# KiCad board pi_attenuator_panel.kicad_pcb (continued)
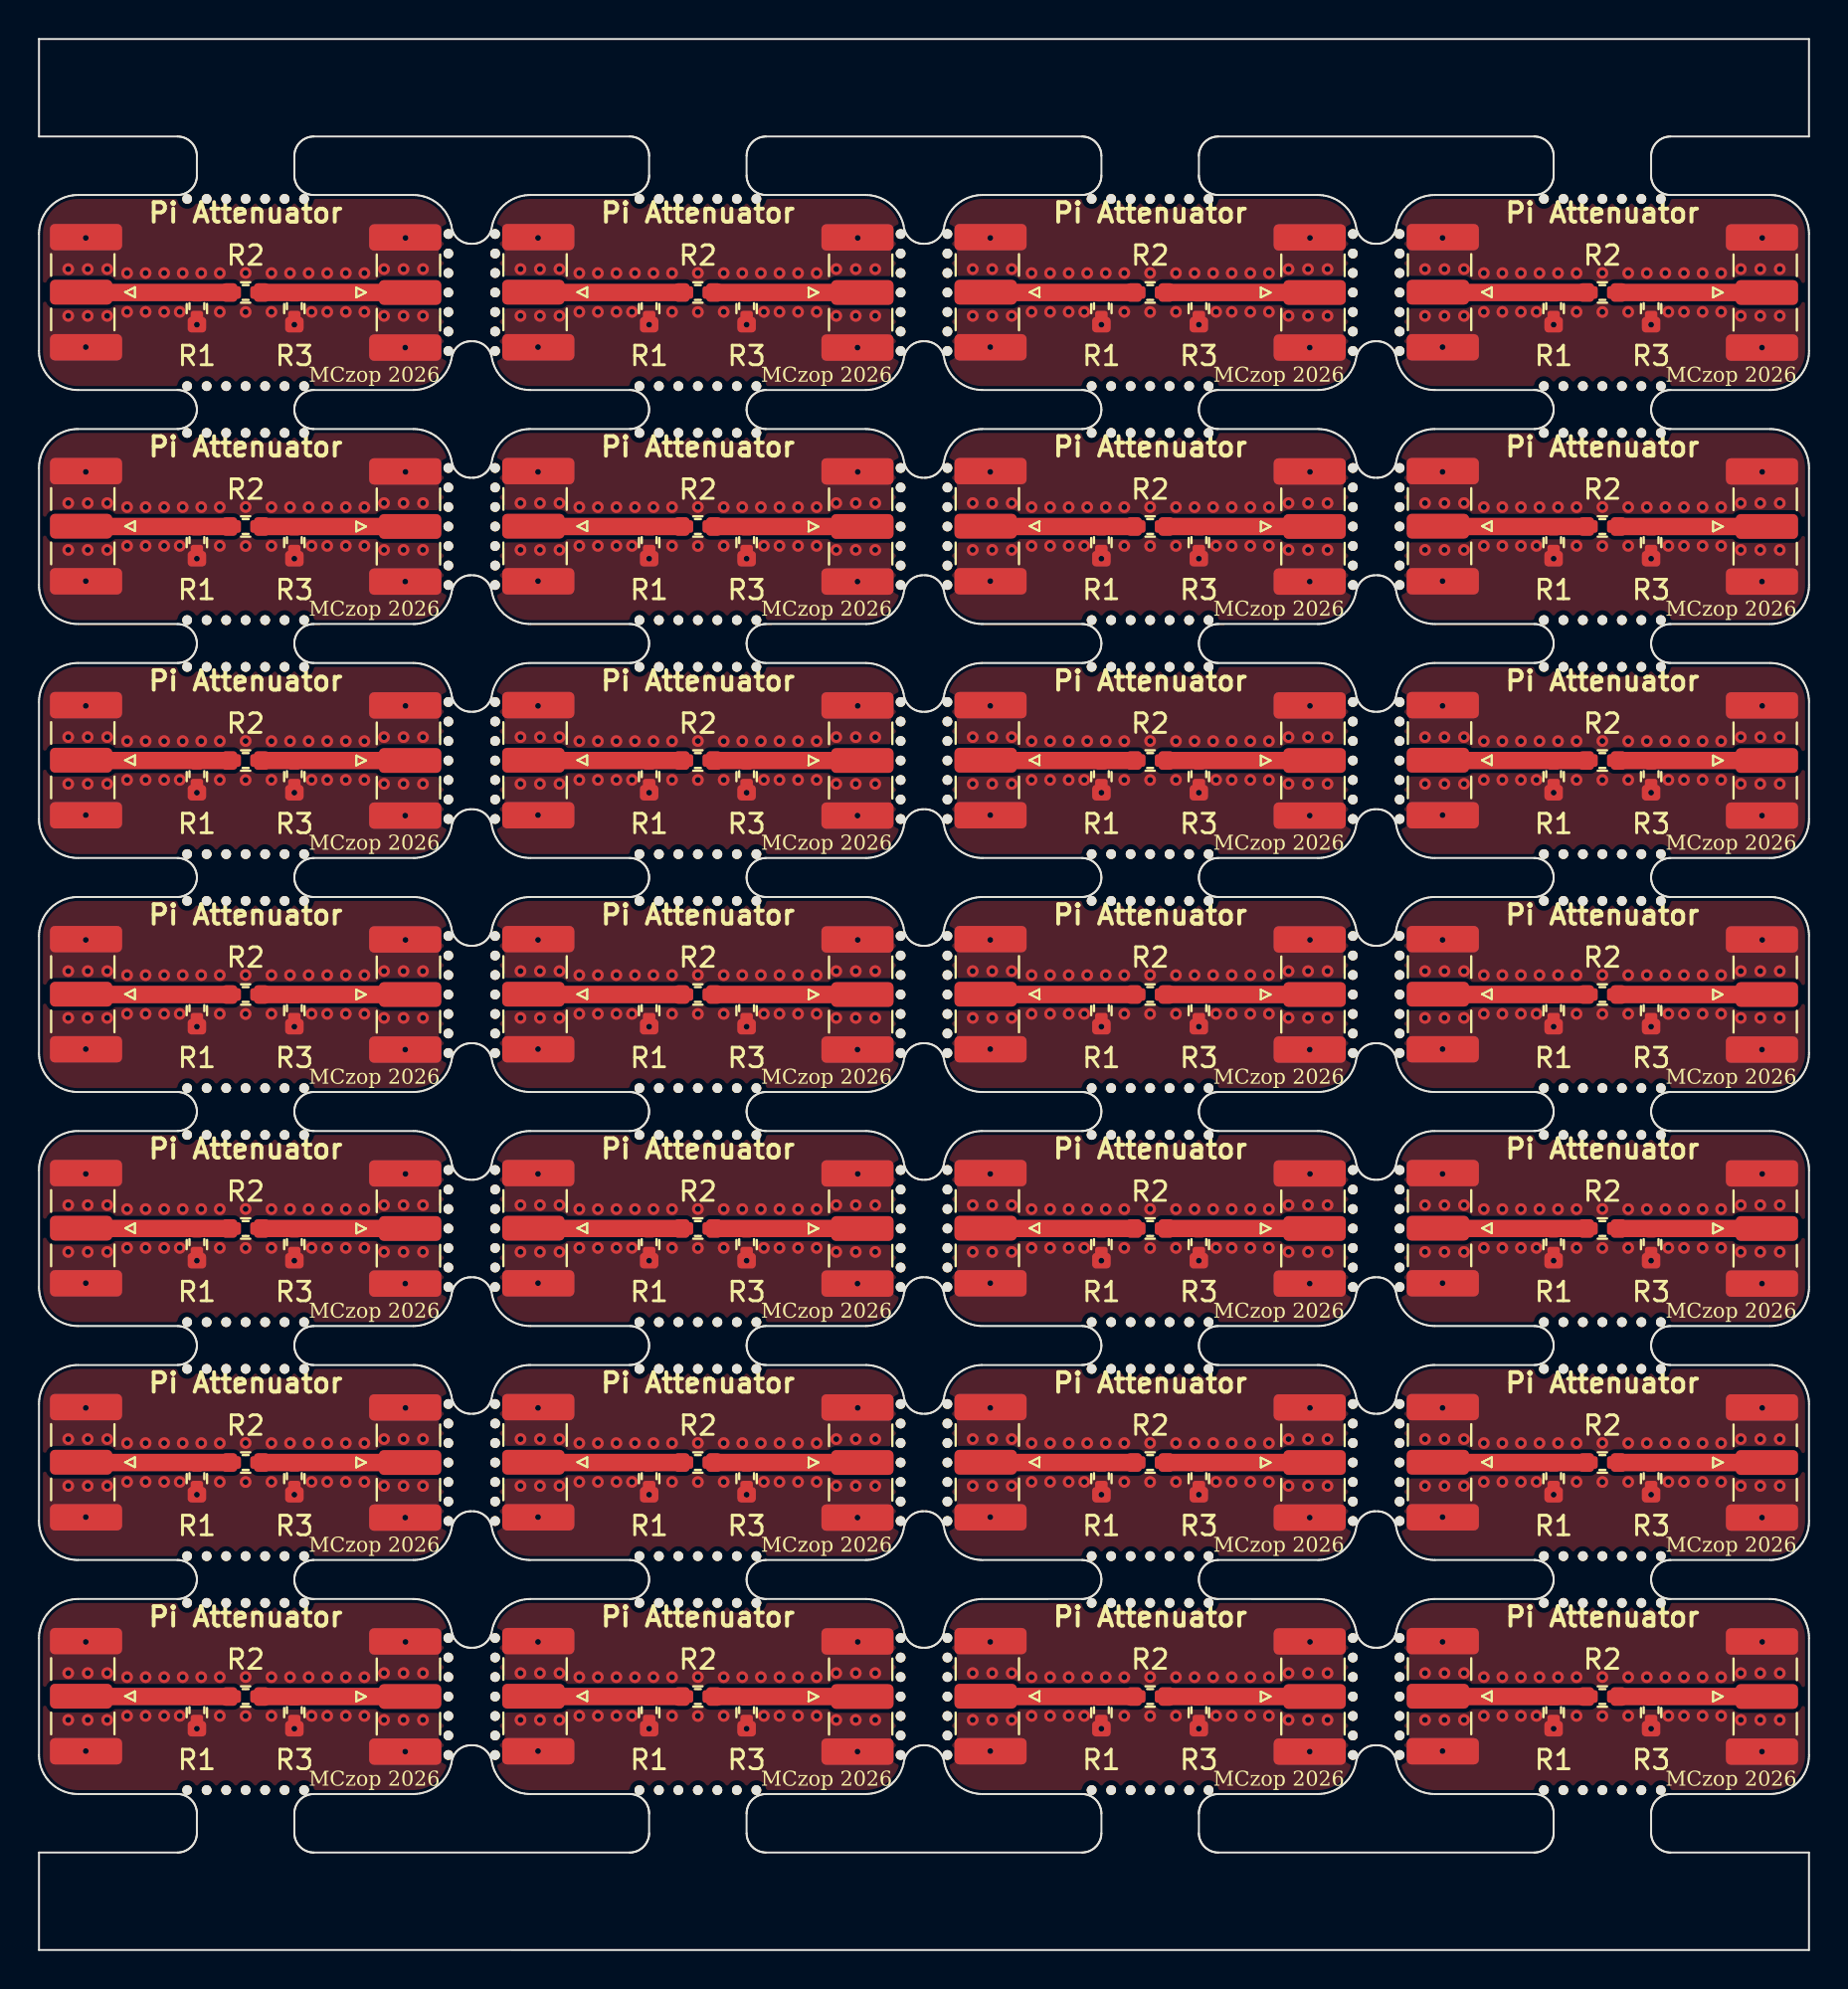
[diagram p0: board, top side]
## Placement (name value [footprint] x y rotation side) (continued)
KiKit_MB_52_3  -  [NPTH]  56 53.8 0 top
KiKit_MB_52_4  -  [NPTH]  57 53.8 0 top
KiKit_MB_52_5  -  [NPTH]  58 53.8 0 top
KiKit_MB_52_6  -  [NPTH]  59 53.8 0 top
KiKit_MB_52_7  -  [NPTH]  60 53.8 0 top
KiKit_MB_53_1  -  [NPTH]  60 44.2 0 top
KiKit_MB_53_2  -  [NPTH]  59 44.2 0 top
KiKit_MB_53_3  -  [NPTH]  58 44.2 0 top
KiKit_MB_53_4  -  [NPTH]  57 44.2 0 top
KiKit_MB_53_5  -  [NPTH]  56 44.2 0 top
KiKit_MB_53_6  -  [NPTH]  55 44.2 0 top
KiKit_MB_53_7  -  [NPTH]  54 44.2 0 top
KiKit_MB_54_1  -  [NPTH]  69.8 46 0 top
KiKit_MB_54_2  -  [NPTH]  69.8 47 0 top
KiKit_MB_54_3  -  [NPTH]  69.8 48 0 top
KiKit_MB_54_4  -  [NPTH]  69.8 49 0 top
KiKit_MB_54_5  -  [NPTH]  69.8 50 0 top
KiKit_MB_54_6  -  [NPTH]  69.8 51 0 top
KiKit_MB_54_7  -  [NPTH]  69.8 52 0 top
KiKit_MB_55_1  -  [NPTH]  77.2 53.8 0 top
KiKit_MB_55_2  -  [NPTH]  78.2 53.8 0 top
KiKit_MB_55_3  -  [NPTH]  79.2 53.8 0 top
KiKit_MB_55_4  -  [NPTH]  80.2 53.8 0 top
KiKit_MB_55_5  -  [NPTH]  81.2 53.8 0 top
KiKit_MB_55_6  -  [NPTH]  82.2 53.8 0 top
KiKit_MB_55_7  -  [NPTH]  83.2 53.8 0 top
KiKit_MB_56_1  -  [NPTH]  83.2 44.2 0 top
KiKit_MB_56_2  -  [NPTH]  82.2 44.2 0 top
KiKit_MB_56_3  -  [NPTH]  81.2 44.2 0 top
KiKit_MB_56_4  -  [NPTH]  80.2 44.2 0 top
KiKit_MB_56_5  -  [NPTH]  79.2 44.2 0 top
KiKit_MB_56_6  -  [NPTH]  78.2 44.2 0 top
KiKit_MB_56_7  -  [NPTH]  77.2 44.2 0 top
KiKit_MB_57_1  -  [NPTH]  21 40 0 top
KiKit_MB_57_2  -  [NPTH]  21 39 0 top
KiKit_MB_57_3  -  [NPTH]  21 38 0 top
KiKit_MB_57_4  -  [NPTH]  21 37 0 top
KiKit_MB_57_5  -  [NPTH]  21 36 0 top
KiKit_MB_57_6  -  [NPTH]  21 35 0 top
KiKit_MB_57_7  -  [NPTH]  21 34 0 top
KiKit_MB_58_1  -  [NPTH]  7.6 41.8 0 top
KiKit_MB_58_2  -  [NPTH]  8.6 41.8 0 top
KiKit_MB_58_3  -  [NPTH]  9.6 41.8 0 top
KiKit_MB_58_4  -  [NPTH]  10.6 41.8 0 top
KiKit_MB_58_5  -  [NPTH]  11.6 41.8 0 top
KiKit_MB_58_6  -  [NPTH]  12.6 41.8 0 top
KiKit_MB_58_7  -  [NPTH]  13.6 41.8 0 top
KiKit_MB_59_1  -  [NPTH]  13.6 32.2 0 top
KiKit_MB_59_2  -  [NPTH]  12.6 32.2 0 top
KiKit_MB_59_3  -  [NPTH]  11.6 32.2 0 top
KiKit_MB_59_4  -  [NPTH]  10.6 32.2 0 top
KiKit_MB_59_5  -  [NPTH]  9.6 32.2 0 top
KiKit_MB_59_6  -  [NPTH]  8.6 32.2 0 top
KiKit_MB_59_7  -  [NPTH]  7.6 32.2 0 top
KiKit_MB_60_1  -  [NPTH]  23.4 34 0 top
KiKit_MB_60_2  -  [NPTH]  23.4 35 0 top
KiKit_MB_60_3  -  [NPTH]  23.4 36 0 top
KiKit_MB_60_4  -  [NPTH]  23.4 37 0 top
KiKit_MB_60_5  -  [NPTH]  23.4 38 0 top
KiKit_MB_60_6  -  [NPTH]  23.4 39 0 top
KiKit_MB_60_7  -  [NPTH]  23.4 40 0 top
KiKit_MB_61_1  -  [NPTH]  44.2 40 0 top
KiKit_MB_61_2  -  [NPTH]  44.2 39 0 top
KiKit_MB_61_3  -  [NPTH]  44.2 38 0 top
KiKit_MB_61_4  -  [NPTH]  44.2 37 0 top
KiKit_MB_61_5  -  [NPTH]  44.2 36 0 top
KiKit_MB_61_6  -  [NPTH]  44.2 35 0 top
KiKit_MB_61_7  -  [NPTH]  44.2 34 0 top
KiKit_MB_62_1  -  [NPTH]  30.8 41.8 0 top
KiKit_MB_62_2  -  [NPTH]  31.8 41.8 0 top
KiKit_MB_62_3  -  [NPTH]  32.8 41.8 0 top
KiKit_MB_62_4  -  [NPTH]  33.8 41.8 0 top
KiKit_MB_62_5  -  [NPTH]  34.8 41.8 0 top
KiKit_MB_62_6  -  [NPTH]  35.8 41.8 0 top
KiKit_MB_62_7  -  [NPTH]  36.8 41.8 0 top
KiKit_MB_63_1  -  [NPTH]  36.8 32.2 0 top
KiKit_MB_63_2  -  [NPTH]  35.8 32.2 0 top
KiKit_MB_63_3  -  [NPTH]  34.8 32.2 0 top
KiKit_MB_63_4  -  [NPTH]  33.8 32.2 0 top
KiKit_MB_63_5  -  [NPTH]  32.8 32.2 0 top
KiKit_MB_63_6  -  [NPTH]  31.8 32.2 0 top
KiKit_MB_63_7  -  [NPTH]  30.8 32.2 0 top
KiKit_MB_64_1  -  [NPTH]  46.6 34 0 top
KiKit_MB_64_2  -  [NPTH]  46.6 35 0 top
KiKit_MB_64_3  -  [NPTH]  46.6 36 0 top
KiKit_MB_64_4  -  [NPTH]  46.6 37 0 top
KiKit_MB_64_5  -  [NPTH]  46.6 38 0 top
KiKit_MB_64_6  -  [NPTH]  46.6 39 0 top
KiKit_MB_64_7  -  [NPTH]  46.6 40 0 top
KiKit_MB_65_1  -  [NPTH]  67.4 40 0 top
KiKit_MB_65_2  -  [NPTH]  67.4 39 0 top
KiKit_MB_65_3  -  [NPTH]  67.4 38 0 top
KiKit_MB_65_4  -  [NPTH]  67.4 37 0 top
KiKit_MB_65_5  -  [NPTH]  67.4 36 0 top
KiKit_MB_65_6  -  [NPTH]  67.4 35 0 top
KiKit_MB_65_7  -  [NPTH]  67.4 34 0 top
KiKit_MB_66_1  -  [NPTH]  54 41.8 0 top
KiKit_MB_66_2  -  [NPTH]  55 41.8 0 top
KiKit_MB_66_3  -  [NPTH]  56 41.8 0 top
KiKit_MB_66_4  -  [NPTH]  57 41.8 0 top
KiKit_MB_66_5  -  [NPTH]  58 41.8 0 top
KiKit_MB_66_6  -  [NPTH]  59 41.8 0 top
KiKit_MB_66_7  -  [NPTH]  60 41.8 0 top
KiKit_MB_67_1  -  [NPTH]  60 32.2 0 top
KiKit_MB_67_2  -  [NPTH]  59 32.2 0 top
KiKit_MB_67_3  -  [NPTH]  58 32.2 0 top
KiKit_MB_67_4  -  [NPTH]  57 32.2 0 top
KiKit_MB_67_5  -  [NPTH]  56 32.2 0 top
KiKit_MB_67_6  -  [NPTH]  55 32.2 0 top
KiKit_MB_67_7  -  [NPTH]  54 32.2 0 top
KiKit_MB_68_1  -  [NPTH]  69.8 34 0 top
KiKit_MB_68_2  -  [NPTH]  69.8 35 0 top
KiKit_MB_68_3  -  [NPTH]  69.8 36 0 top
KiKit_MB_68_4  -  [NPTH]  69.8 37 0 top
KiKit_MB_68_5  -  [NPTH]  69.8 38 0 top
KiKit_MB_68_6  -  [NPTH]  69.8 39 0 top
KiKit_MB_68_7  -  [NPTH]  69.8 40 0 top
KiKit_MB_69_1  -  [NPTH]  77.2 41.8 0 top
KiKit_MB_69_2  -  [NPTH]  78.2 41.8 0 top
KiKit_MB_69_3  -  [NPTH]  79.2 41.8 0 top
KiKit_MB_69_4  -  [NPTH]  80.2 41.8 0 top
KiKit_MB_69_5  -  [NPTH]  81.2 41.8 0 top
KiKit_MB_69_6  -  [NPTH]  82.2 41.8 0 top
KiKit_MB_69_7  -  [NPTH]  83.2 41.8 0 top
KiKit_MB_70_1  -  [NPTH]  83.2 32.2 0 top
KiKit_MB_70_2  -  [NPTH]  82.2 32.2 0 top
KiKit_MB_70_3  -  [NPTH]  81.2 32.2 0 top
KiKit_MB_70_4  -  [NPTH]  80.2 32.2 0 top
KiKit_MB_70_5  -  [NPTH]  79.2 32.2 0 top
KiKit_MB_70_6  -  [NPTH]  78.2 32.2 0 top
KiKit_MB_70_7  -  [NPTH]  77.2 32.2 0 top
KiKit_MB_71_1  -  [NPTH]  21 28 0 top
KiKit_MB_71_2  -  [NPTH]  21 27 0 top
KiKit_MB_71_3  -  [NPTH]  21 26 0 top
KiKit_MB_71_4  -  [NPTH]  21 25 0 top
KiKit_MB_71_5  -  [NPTH]  21 24 0 top
KiKit_MB_71_6  -  [NPTH]  21 23 0 top
KiKit_MB_71_7  -  [NPTH]  21 22 0 top
KiKit_MB_72_1  -  [NPTH]  7.6 29.8 0 top
KiKit_MB_72_2  -  [NPTH]  8.6 29.8 0 top
KiKit_MB_72_3  -  [NPTH]  9.6 29.8 0 top
KiKit_MB_72_4  -  [NPTH]  10.6 29.8 0 top
KiKit_MB_72_5  -  [NPTH]  11.6 29.8 0 top
KiKit_MB_72_6  -  [NPTH]  12.6 29.8 0 top
KiKit_MB_72_7  -  [NPTH]  13.6 29.8 0 top
KiKit_MB_73_1  -  [NPTH]  13.6 20.2 0 top
KiKit_MB_73_2  -  [NPTH]  12.6 20.2 0 top
KiKit_MB_73_3  -  [NPTH]  11.6 20.2 0 top
KiKit_MB_73_4  -  [NPTH]  10.6 20.2 0 top
KiKit_MB_73_5  -  [NPTH]  9.6 20.2 0 top
KiKit_MB_73_6  -  [NPTH]  8.6 20.2 0 top
KiKit_MB_73_7  -  [NPTH]  7.6 20.2 0 top
KiKit_MB_74_1  -  [NPTH]  23.4 22 0 top
KiKit_MB_74_2  -  [NPTH]  23.4 23 0 top
KiKit_MB_74_3  -  [NPTH]  23.4 24 0 top
KiKit_MB_74_4  -  [NPTH]  23.4 25 0 top
KiKit_MB_74_5  -  [NPTH]  23.4 26 0 top
KiKit_MB_74_6  -  [NPTH]  23.4 27 0 top
KiKit_MB_74_7  -  [NPTH]  23.4 28 0 top
KiKit_MB_75_1  -  [NPTH]  44.2 28 0 top
KiKit_MB_75_2  -  [NPTH]  44.2 27 0 top
KiKit_MB_75_3  -  [NPTH]  44.2 26 0 top
KiKit_MB_75_4  -  [NPTH]  44.2 25 0 top
KiKit_MB_75_5  -  [NPTH]  44.2 24 0 top
KiKit_MB_75_6  -  [NPTH]  44.2 23 0 top
KiKit_MB_75_7  -  [NPTH]  44.2 22 0 top
KiKit_MB_76_1  -  [NPTH]  30.8 29.8 0 top
KiKit_MB_76_2  -  [NPTH]  31.8 29.8 0 top
KiKit_MB_76_3  -  [NPTH]  32.8 29.8 0 top
KiKit_MB_76_4  -  [NPTH]  33.8 29.8 0 top
KiKit_MB_76_5  -  [NPTH]  34.8 29.8 0 top
KiKit_MB_76_6  -  [NPTH]  35.8 29.8 0 top
KiKit_MB_76_7  -  [NPTH]  36.8 29.8 0 top
KiKit_MB_77_1  -  [NPTH]  36.8 20.2 0 top
KiKit_MB_77_2  -  [NPTH]  35.8 20.2 0 top
KiKit_MB_77_3  -  [NPTH]  34.8 20.2 0 top
KiKit_MB_77_4  -  [NPTH]  33.8 20.2 0 top
KiKit_MB_77_5  -  [NPTH]  32.8 20.2 0 top
KiKit_MB_77_6  -  [NPTH]  31.8 20.2 0 top
KiKit_MB_77_7  -  [NPTH]  30.8 20.2 0 top
KiKit_MB_78_1  -  [NPTH]  46.6 22 0 top
KiKit_MB_78_2  -  [NPTH]  46.6 23 0 top
KiKit_MB_78_3  -  [NPTH]  46.6 24 0 top
KiKit_MB_78_4  -  [NPTH]  46.6 25 0 top
KiKit_MB_78_5  -  [NPTH]  46.6 26 0 top
KiKit_MB_78_6  -  [NPTH]  46.6 27 0 top
KiKit_MB_78_7  -  [NPTH]  46.6 28 0 top
KiKit_MB_79_1  -  [NPTH]  67.4 28 0 top
KiKit_MB_79_2  -  [NPTH]  67.4 27 0 top
KiKit_MB_79_3  -  [NPTH]  67.4 26 0 top
KiKit_MB_79_4  -  [NPTH]  67.4 25 0 top
KiKit_MB_79_5  -  [NPTH]  67.4 24 0 top
KiKit_MB_79_6  -  [NPTH]  67.4 23 0 top
KiKit_MB_79_7  -  [NPTH]  67.4 22 0 top
KiKit_MB_80_1  -  [NPTH]  54 29.8 0 top
KiKit_MB_80_2  -  [NPTH]  55 29.8 0 top
KiKit_MB_80_3  -  [NPTH]  56 29.8 0 top
KiKit_MB_80_4  -  [NPTH]  57 29.8 0 top
KiKit_MB_80_5  -  [NPTH]  58 29.8 0 top
KiKit_MB_80_6  -  [NPTH]  59 29.8 0 top
KiKit_MB_80_7  -  [NPTH]  60 29.8 0 top
KiKit_MB_81_1  -  [NPTH]  60 20.2 0 top
KiKit_MB_81_2  -  [NPTH]  59 20.2 0 top
KiKit_MB_81_3  -  [NPTH]  58 20.2 0 top
KiKit_MB_81_4  -  [NPTH]  57 20.2 0 top
KiKit_MB_81_5  -  [NPTH]  56 20.2 0 top
KiKit_MB_81_6  -  [NPTH]  55 20.2 0 top
KiKit_MB_81_7  -  [NPTH]  54 20.2 0 top
KiKit_MB_82_1  -  [NPTH]  69.8 22 0 top
KiKit_MB_82_2  -  [NPTH]  69.8 23 0 top
KiKit_MB_82_3  -  [NPTH]  69.8 24 0 top
KiKit_MB_82_4  -  [NPTH]  69.8 25 0 top
KiKit_MB_82_5  -  [NPTH]  69.8 26 0 top
KiKit_MB_82_6  -  [NPTH]  69.8 27 0 top
KiKit_MB_82_7  -  [NPTH]  69.8 28 0 top
KiKit_MB_83_1  -  [NPTH]  77.2 29.8 0 top
KiKit_MB_83_2  -  [NPTH]  78.2 29.8 0 top
KiKit_MB_83_3  -  [NPTH]  79.2 29.8 0 top
KiKit_MB_83_4  -  [NPTH]  80.2 29.8 0 top
KiKit_MB_83_5  -  [NPTH]  81.2 29.8 0 top
KiKit_MB_83_6  -  [NPTH]  82.2 29.8 0 top
KiKit_MB_83_7  -  [NPTH]  83.2 29.8 0 top
KiKit_MB_84_1  -  [NPTH]  83.2 20.2 0 top
KiKit_MB_84_2  -  [NPTH]  82.2 20.2 0 top
KiKit_MB_84_3  -  [NPTH]  81.2 20.2 0 top
KiKit_MB_84_4  -  [NPTH]  80.2 20.2 0 top
KiKit_MB_84_5  -  [NPTH]  79.2 20.2 0 top
KiKit_MB_84_6  -  [NPTH]  78.2 20.2 0 top
KiKit_MB_84_7  -  [NPTH]  77.2 20.2 0 top
KiKit_MB_85_1  -  [NPTH]  21 16 0 top
KiKit_MB_85_2  -  [NPTH]  21 15 0 top
KiKit_MB_85_3  -  [NPTH]  21 14 0 top
KiKit_MB_85_4  -  [NPTH]  21 13 0 top
KiKit_MB_85_5  -  [NPTH]  21 12 0 top
KiKit_MB_85_6  -  [NPTH]  21 11 0 top
KiKit_MB_85_7  -  [NPTH]  21 10 0 top
KiKit_MB_86_1  -  [NPTH]  7.6 17.8 0 top
KiKit_MB_86_2  -  [NPTH]  8.6 17.8 0 top
KiKit_MB_86_3  -  [NPTH]  9.6 17.8 0 top
KiKit_MB_86_4  -  [NPTH]  10.6 17.8 0 top
KiKit_MB_86_5  -  [NPTH]  11.6 17.8 0 top
KiKit_MB_86_6  -  [NPTH]  12.6 17.8 0 top
KiKit_MB_86_7  -  [NPTH]  13.6 17.8 0 top
KiKit_MB_87_1  -  [NPTH]  13.6 8.2 0 top
KiKit_MB_87_2  -  [NPTH]  12.6 8.2 0 top
KiKit_MB_87_3  -  [NPTH]  11.6 8.2 0 top
KiKit_MB_87_4  -  [NPTH]  10.6 8.2 0 top
KiKit_MB_87_5  -  [NPTH]  9.6 8.2 0 top
KiKit_MB_87_6  -  [NPTH]  8.6 8.2 0 top
KiKit_MB_87_7  -  [NPTH]  7.6 8.2 0 top
KiKit_MB_88_1  -  [NPTH]  23.4 10 0 top
KiKit_MB_88_2  -  [NPTH]  23.4 11 0 top
KiKit_MB_88_3  -  [NPTH]  23.4 12 0 top
KiKit_MB_88_4  -  [NPTH]  23.4 13 0 top
KiKit_MB_88_5  -  [NPTH]  23.4 14 0 top
KiKit_MB_88_6  -  [NPTH]  23.4 15 0 top
KiKit_MB_88_7  -  [NPTH]  23.4 16 0 top
KiKit_MB_89_1  -  [NPTH]  44.2 16 0 top
KiKit_MB_89_2  -  [NPTH]  44.2 15 0 top
KiKit_MB_89_3  -  [NPTH]  44.2 14 0 top
KiKit_MB_89_4  -  [NPTH]  44.2 13 0 top
KiKit_MB_89_5  -  [NPTH]  44.2 12 0 top
KiKit_MB_89_6  -  [NPTH]  44.2 11 0 top
KiKit_MB_89_7  -  [NPTH]  44.2 10 0 top
KiKit_MB_90_1  -  [NPTH]  30.8 17.8 0 top
KiKit_MB_90_2  -  [NPTH]  31.8 17.8 0 top
KiKit_MB_90_3  -  [NPTH]  32.8 17.8 0 top
KiKit_MB_90_4  -  [NPTH]  33.8 17.8 0 top
KiKit_MB_90_5  -  [NPTH]  34.8 17.8 0 top
KiKit_MB_90_6  -  [NPTH]  35.8 17.8 0 top
KiKit_MB_90_7  -  [NPTH]  36.8 17.8 0 top
KiKit_MB_91_1  -  [NPTH]  36.8 8.2 0 top
KiKit_MB_91_2  -  [NPTH]  35.8 8.2 0 top
KiKit_MB_91_3  -  [NPTH]  34.8 8.2 0 top
KiKit_MB_91_4  -  [NPTH]  33.8 8.2 0 top
KiKit_MB_91_5  -  [NPTH]  32.8 8.2 0 top
KiKit_MB_91_6  -  [NPTH]  31.8 8.2 0 top
KiKit_MB_91_7  -  [NPTH]  30.8 8.2 0 top
KiKit_MB_92_1  -  [NPTH]  46.6 10 0 top
KiKit_MB_92_2  -  [NPTH]  46.6 11 0 top
KiKit_MB_92_3  -  [NPTH]  46.6 12 0 top
KiKit_MB_92_4  -  [NPTH]  46.6 13 0 top
KiKit_MB_92_5  -  [NPTH]  46.6 14 0 top
KiKit_MB_92_6  -  [NPTH]  46.6 15 0 top
KiKit_MB_92_7  -  [NPTH]  46.6 16 0 top
KiKit_MB_93_1  -  [NPTH]  67.4 16 0 top
KiKit_MB_93_2  -  [NPTH]  67.4 15 0 top
KiKit_MB_93_3  -  [NPTH]  67.4 14 0 top
KiKit_MB_93_4  -  [NPTH]  67.4 13 0 top
KiKit_MB_93_5  -  [NPTH]  67.4 12 0 top
KiKit_MB_93_6  -  [NPTH]  67.4 11 0 top
KiKit_MB_93_7  -  [NPTH]  67.4 10 0 top
KiKit_MB_94_1  -  [NPTH]  54 17.8 0 top
KiKit_MB_94_2  -  [NPTH]  55 17.8 0 top
KiKit_MB_94_3  -  [NPTH]  56 17.8 0 top
KiKit_MB_94_4  -  [NPTH]  57 17.8 0 top
KiKit_MB_94_5  -  [NPTH]  58 17.8 0 top
KiKit_MB_94_6  -  [NPTH]  59 17.8 0 top
KiKit_MB_94_7  -  [NPTH]  60 17.8 0 top
KiKit_MB_95_1  -  [NPTH]  60 8.2 0 top
KiKit_MB_95_2  -  [NPTH]  59 8.2 0 top
KiKit_MB_95_3  -  [NPTH]  58 8.2 0 top
KiKit_MB_95_4  -  [NPTH]  57 8.2 0 top
KiKit_MB_95_5  -  [NPTH]  56 8.2 0 top
KiKit_MB_95_6  -  [NPTH]  55 8.2 0 top
KiKit_MB_95_7  -  [NPTH]  54 8.2 0 top
KiKit_MB_96_1  -  [NPTH]  69.8 10 0 top
KiKit_MB_96_2  -  [NPTH]  69.8 11 0 top
KiKit_MB_96_3  -  [NPTH]  69.8 12 0 top
KiKit_MB_96_4  -  [NPTH]  69.8 13 0 top
KiKit_MB_96_5  -  [NPTH]  69.8 14 0 top
KiKit_MB_96_6  -  [NPTH]  69.8 15 0 top
KiKit_MB_96_7  -  [NPTH]  69.8 16 0 top
KiKit_MB_97_1  -  [NPTH]  77.2 17.8 0 top
KiKit_MB_97_2  -  [NPTH]  78.2 17.8 0 top
KiKit_MB_97_3  -  [NPTH]  79.2 17.8 0 top
KiKit_MB_97_4  -  [NPTH]  80.2 17.8 0 top
KiKit_MB_97_5  -  [NPTH]  81.2 17.8 0 top
KiKit_MB_97_6  -  [NPTH]  82.2 17.8 0 top
KiKit_MB_97_7  -  [NPTH]  83.2 17.8 0 top
KiKit_MB_98_1  -  [NPTH]  83.2 8.2 0 top
KiKit_MB_98_2  -  [NPTH]  82.2 8.2 0 top
KiKit_MB_98_3  -  [NPTH]  81.2 8.2 0 top
KiKit_MB_98_4  -  [NPTH]  80.2 8.2 0 top
KiKit_MB_98_5  -  [NPTH]  79.2 8.2 0 top
KiKit_MB_98_6  -  [NPTH]  78.2 8.2 0 top
KiKit_MB_98_7  -  [NPTH]  77.2 8.2 0 top
R1  SHUNT  [R_0603_1608Metric]  77.7 84.17 90 top
R1#2  SHUNT  [R_0603_1608Metric]  8.1 72.17 90 top
R1#3  SHUNT  [R_0603_1608Metric]  31.3 36.17 90 top
R1#4  SHUNT  [R_0603_1608Metric]  77.7 12.17 90 top
R1#5  SHUNT  [R_0603_1608Metric]  8.1 36.17 90 top
R1#6  SHUNT  [R_0603_1608Metric]  31.3 12.17 90 top
R1#7  SHUNT  [R_0603_1608Metric]  8.1 84.17 90 top
R1#8  SHUNT  [R_0603_1608Metric]  54.5 24.17 90 top
R1#9  SHUNT  [R_0603_1608Metric]  77.7 48.17 90 top
R1#10  SHUNT  [R_0603_1608Metric]  77.7 36.17 90 top
R1#11  SHUNT  [R_0603_1608Metric]  8.1 60.17 90 top
R1#12  SHUNT  [R_0603_1608Metric]  31.3 84.17 90 top
R1#13  SHUNT  [R_0603_1608Metric]  54.5 36.17 90 top
R1#14  SHUNT  [R_0603_1608Metric]  8.1 12.17 90 top
R1#15  SHUNT  [R_0603_1608Metric]  31.3 60.17 90 top
R1#16  SHUNT  [R_0603_1608Metric]  54.5 60.17 90 top
R1#17  SHUNT  [R_0603_1608Metric]  77.7 60.17 90 top
R1#18  SHUNT  [R_0603_1608Metric]  54.5 48.17 90 top
R1#19  SHUNT  [R_0603_1608Metric]  77.7 72.17 90 top
R1#20  SHUNT  [R_0603_1608Metric]  54.5 72.17 90 top
R1#21  SHUNT  [R_0603_1608Metric]  31.3 72.17 90 top
R1#22  SHUNT  [R_0603_1608Metric]  31.3 48.17 90 top
R1#23  SHUNT  [R_0603_1608Metric]  8.1 48.17 90 top
R1#24  SHUNT  [R_0603_1608Metric]  54.5 84.17 90 top
R1#25  SHUNT  [R_0603_1608Metric]  8.1 24.17 90 top
R1#26  SHUNT  [R_0603_1608Metric]  31.3 24.17 90 top
R1#27  SHUNT  [R_0603_1608Metric]  54.5 12.17 90 top
R1#28  SHUNT  [R_0603_1608Metric]  77.7 24.17 90 top
R2  SERIES  [R_0603_1608Metric]  33.8 49 180 top
R2#2  SERIES  [R_0603_1608Metric]  57 25 180 top
R2#3  SERIES  [R_0603_1608Metric]  57 13 180 top
R2#4  SERIES  [R_0603_1608Metric]  80.2 61 180 top
R2#5  SERIES  [R_0603_1608Metric]  80.2 25 180 top
R2#6  SERIES  [R_0603_1608Metric]  80.2 13 180 top
R2#7  SERIES  [R_0603_1608Metric]  80.2 85 180 top
R2#8  SERIES  [R_0603_1608Metric]  10.6 61 180 top
R2#9  SERIES  [R_0603_1608Metric]  10.6 49 180 top
R2#10  SERIES  [R_0603_1608Metric]  10.6 37 180 top
R2#11  SERIES  [R_0603_1608Metric]  57 61 180 top
R2#12  SERIES  [R_0603_1608Metric]  33.8 73 180 top
R2#13  SERIES  [R_0603_1608Metric]  57 85 180 top
R2#14  SERIES  [R_0603_1608Metric]  10.6 85 180 top
R2#15  SERIES  [R_0603_1608Metric]  33.8 85 180 top
R2#16  SERIES  [R_0603_1608Metric]  80.2 49 180 top
R2#17  SERIES  [R_0603_1608Metric]  80.2 37 180 top
R2#18  SERIES  [R_0603_1608Metric]  33.8 25 180 top
R2#19  SERIES  [R_0603_1608Metric]  57 73 180 top
R2#20  SERIES  [R_0603_1608Metric]  33.8 37 180 top
R2#21  SERIES  [R_0603_1608Metric]  10.6 73 180 top
R2#22  SERIES  [R_0603_1608Metric]  33.8 13 180 top
R2#23  SERIES  [R_0603_1608Metric]  33.8 61 180 top
R2#24  SERIES  [R_0603_1608Metric]  80.2 73 180 top
R2#25  SERIES  [R_0603_1608Metric]  10.6 13 180 top
R2#26  SERIES  [R_0603_1608Metric]  57 37 180 top
R2#27  SERIES  [R_0603_1608Metric]  57 49 180 top
R2#28  SERIES  [R_0603_1608Metric]  10.6 25 180 top
R3  SHUNT  [R_0603_1608Metric]  59.5 36.17 90 top
R3#2  SHUNT  [R_0603_1608Metric]  13.1 48.17 90 top
R3#3  SHUNT  [R_0603_1608Metric]  59.5 84.17 90 top
R3#4  SHUNT  [R_0603_1608Metric]  82.7 24.17 90 top
R3#5  SHUNT  [R_0603_1608Metric]  59.5 24.17 90 top
R3#6  SHUNT  [R_0603_1608Metric]  59.5 72.17 90 top
R3#7  SHUNT  [R_0603_1608Metric]  82.7 12.17 90 top
R3#8  SHUNT  [R_0603_1608Metric]  13.1 12.17 90 top
R3#9  SHUNT  [R_0603_1608Metric]  36.3 12.17 90 top
R3#10  SHUNT  [R_0603_1608Metric]  59.5 12.17 90 top
R3#11  SHUNT  [R_0603_1608Metric]  13.1 84.17 90 top
R3#12  SHUNT  [R_0603_1608Metric]  82.7 84.17 90 top
R3#13  SHUNT  [R_0603_1608Metric]  59.5 48.17 90 top
R3#14  SHUNT  [R_0603_1608Metric]  82.7 72.17 90 top
R3#15  SHUNT  [R_0603_1608Metric]  82.7 36.17 90 top
R3#16  SHUNT  [R_0603_1608Metric]  13.1 72.17 90 top
R3#17  SHUNT  [R_0603_1608Metric]  82.7 60.17 90 top
R3#18  SHUNT  [R_0603_1608Metric]  36.3 48.17 90 top
R3#19  SHUNT  [R_0603_1608Metric]  36.3 60.17 90 top
R3#20  SHUNT  [R_0603_1608Metric]  13.1 36.17 90 top
R3#21  SHUNT  [R_0603_1608Metric]  13.1 60.17 90 top
R3#22  SHUNT  [R_0603_1608Metric]  82.7 48.17 90 top
R3#23  SHUNT  [R_0603_1608Metric]  13.1 24.17 90 top
R3#24  SHUNT  [R_0603_1608Metric]  36.3 84.17 90 top
R3#25  SHUNT  [R_0603_1608Metric]  59.5 60.17 90 top
R3#26  SHUNT  [R_0603_1608Metric]  36.3 24.17 90 top
R3#27  SHUNT  [R_0603_1608Metric]  36.3 36.17 90 top
R3#28  SHUNT  [R_0603_1608Metric]  36.3 72.17 90 top
R4  SERIES  [R_0402_1005Metric]  57 25 180 top  (not fitted)
R4#2  SERIES  [R_0402_1005Metric]  10.6 85 180 top  (not fitted)
R4#3  SERIES  [R_0402_1005Metric]  10.6 25 180 top  (not fitted)
R4#4  SERIES  [R_0402_1005Metric]  33.8 61 180 top  (not fitted)
R4#5  SERIES  [R_0402_1005Metric]  80.2 85 180 top  (not fitted)
R4#6  SERIES  [R_0402_1005Metric]  80.2 49 180 top  (not fitted)
R4#7  SERIES  [R_0402_1005Metric]  33.8 37 180 top  (not fitted)
R4#8  SERIES  [R_0402_1005Metric]  57 37 180 top  (not fitted)
R4#9  SERIES  [R_0402_1005Metric]  33.8 85 180 top  (not fitted)
R4#10  SERIES  [R_0402_1005Metric]  10.6 37 180 top  (not fitted)
R4#11  SERIES  [R_0402_1005Metric]  33.8 25 180 top  (not fitted)
R4#12  SERIES  [R_0402_1005Metric]  80.2 73 180 top  (not fitted)
R4#13  SERIES  [R_0402_1005Metric]  57 85 180 top  (not fitted)
R4#14  SERIES  [R_0402_1005Metric]  33.8 73 180 top  (not fitted)
R4#15  SERIES  [R_0402_1005Metric]  80.2 13 180 top  (not fitted)
R4#16  SERIES  [R_0402_1005Metric]  33.8 13 180 top  (not fitted)
R4#17  SERIES  [R_0402_1005Metric]  57 13 180 top  (not fitted)
R4#18  SERIES  [R_0402_1005Metric]  10.6 61 180 top  (not fitted)
R4#19  SERIES  [R_0402_1005Metric]  57 61 180 top  (not fitted)
R4#20  SERIES  [R_0402_1005Metric]  10.6 73 180 top  (not fitted)
R4#21  SERIES  [R_0402_1005Metric]  80.2 25 180 top  (not fitted)
R4#22  SERIES  [R_0402_1005Metric]  80.2 61 180 top  (not fitted)
R4#23  SERIES  [R_0402_1005Metric]  33.8 49 180 top  (not fitted)
R4#24  SERIES  [R_0402_1005Metric]  80.2 37 180 top  (not fitted)
R4#25  SERIES  [R_0402_1005Metric]  57 73 180 top  (not fitted)
R4#26  SERIES  [R_0402_1005Metric]  10.6 49 180 top  (not fitted)
R4#27  SERIES  [R_0402_1005Metric]  10.6 13 180 top  (not fitted)
R4#28  SERIES  [R_0402_1005Metric]  57 49 180 top  (not fitted)
R5  SERIES  [R_0402_1005Metric]  31.3 12.3 270 top  (not fitted)
R5#2  SERIES  [R_0402_1005Metric]  8.1 72.3 270 top  (not fitted)
R5#3  SERIES  [R_0402_1005Metric]  8.1 12.3 270 top  (not fitted)
R5#4  SERIES  [R_0402_1005Metric]  54.5 24.3 270 top  (not fitted)
R5#5  SERIES  [R_0402_1005Metric]  8.1 36.3 270 top  (not fitted)
R5#6  SERIES  [R_0402_1005Metric]  77.7 24.3 270 top  (not fitted)
R5#7  SERIES  [R_0402_1005Metric]  31.3 36.3 270 top  (not fitted)
R5#8  SERIES  [R_0402_1005Metric]  8.1 48.3 270 top  (not fitted)
R5#9  SERIES  [R_0402_1005Metric]  77.7 48.3 270 top  (not fitted)
R5#10  SERIES  [R_0402_1005Metric]  31.3 24.3 270 top  (not fitted)
R5#11  SERIES  [R_0402_1005Metric]  77.7 60.3 270 top  (not fitted)
R5#12  SERIES  [R_0402_1005Metric]  54.5 84.3 270 top  (not fitted)
R5#13  SERIES  [R_0402_1005Metric]  31.3 84.3 270 top  (not fitted)
R5#14  SERIES  [R_0402_1005Metric]  8.1 84.3 270 top  (not fitted)
R5#15  SERIES  [R_0402_1005Metric]  54.5 60.3 270 top  (not fitted)
R5#16  SERIES  [R_0402_1005Metric]  77.7 84.3 270 top  (not fitted)
R5#17  SERIES  [R_0402_1005Metric]  54.5 48.3 270 top  (not fitted)
R5#18  SERIES  [R_0402_1005Metric]  54.5 12.3 270 top  (not fitted)
R5#19  SERIES  [R_0402_1005Metric]  77.7 36.3 270 top  (not fitted)
R5#20  SERIES  [R_0402_1005Metric]  8.1 24.3 270 top  (not fitted)
R5#21  SERIES  [R_0402_1005Metric]  54.5 72.3 270 top  (not fitted)
R5#22  SERIES  [R_0402_1005Metric]  31.3 48.3 270 top  (not fitted)
R5#23  SERIES  [R_0402_1005Metric]  31.3 60.3 270 top  (not fitted)
R5#24  SERIES  [R_0402_1005Metric]  77.7 12.3 270 top  (not fitted)
R5#25  SERIES  [R_0402_1005Metric]  54.5 36.3 270 top  (not fitted)
R5#26  SERIES  [R_0402_1005Metric]  77.7 72.3 270 top  (not fitted)
R5#27  SERIES  [R_0402_1005Metric]  31.3 72.3 270 top  (not fitted)
R5#28  SERIES  [R_0402_1005Metric]  8.1 60.3 270 top  (not fitted)
R6  SERIES  [R_0402_1005Metric]  36.3 48.3 270 top  (not fitted)
R6#2  SERIES  [R_0402_1005Metric]  82.7 24.3 270 top  (not fitted)
R6#3  SERIES  [R_0402_1005Metric]  82.7 12.3 270 top  (not fitted)
R6#4  SERIES  [R_0402_1005Metric]  13.1 48.3 270 top  (not fitted)
R6#5  SERIES  [R_0402_1005Metric]  13.1 12.3 270 top  (not fitted)
R6#6  SERIES  [R_0402_1005Metric]  36.3 36.3 270 top  (not fitted)
R6#7  SERIES  [R_0402_1005Metric]  36.3 72.3 270 top  (not fitted)
R6#8  SERIES  [R_0402_1005Metric]  13.1 84.3 270 top  (not fitted)
R6#9  SERIES  [R_0402_1005Metric]  59.5 72.3 270 top  (not fitted)
R6#10  SERIES  [R_0402_1005Metric]  36.3 12.3 270 top  (not fitted)
R6#11  SERIES  [R_0402_1005Metric]  59.5 12.3 270 top  (not fitted)
R6#12  SERIES  [R_0402_1005Metric]  36.3 24.3 270 top  (not fitted)
R6#13  SERIES  [R_0402_1005Metric]  82.7 84.3 270 top  (not fitted)
R6#14  SERIES  [R_0402_1005Metric]  36.3 84.3 270 top  (not fitted)
R6#15  SERIES  [R_0402_1005Metric]  59.5 48.3 270 top  (not fitted)
R6#16  SERIES  [R_0402_1005Metric]  82.7 36.3 270 top  (not fitted)
R6#17  SERIES  [R_0402_1005Metric]  59.5 24.3 270 top  (not fitted)
R6#18  SERIES  [R_0402_1005Metric]  59.5 36.3 270 top  (not fitted)
R6#19  SERIES  [R_0402_1005Metric]  82.7 48.3 270 top  (not fitted)
R6#20  SERIES  [R_0402_1005Metric]  59.5 60.3 270 top  (not fitted)
R6#21  SERIES  [R_0402_1005Metric]  36.3 60.3 270 top  (not fitted)
R6#22  SERIES  [R_0402_1005Metric]  82.7 60.3 270 top  (not fitted)
R6#23  SERIES  [R_0402_1005Metric]  13.1 60.3 270 top  (not fitted)
R6#24  SERIES  [R_0402_1005Metric]  13.1 72.3 270 top  (not fitted)
R6#25  SERIES  [R_0402_1005Metric]  13.1 36.3 270 top  (not fitted)
R6#26  SERIES  [R_0402_1005Metric]  59.5 84.3 270 top  (not fitted)
R6#27  SERIES  [R_0402_1005Metric]  82.7 72.3 270 top  (not fitted)
R6#28  SERIES  [R_0402_1005Metric]  13.1 24.3 270 top  (not fitted)

## Library data of the parts
J1 J1#2-J1#28 J2 J2#2-J2#28 = -: Description: small coaxial connector (BNC, SMA, SMB, SMC, Cinch/RCA, LEMO, ...); ki_fp_filters: *BNC* *SMA* *SMB* *SMC* *Cinch* *LEMO* *UMRF* *MCX* *U.FL*
R1 R1#2-R1#28 R2 R2#2-R2#28 R3 R3#2-R3#28 R4 R4#2-R4#28 R5 R5#2-R5#28 R6 R6#2-R6#28 = -: Description: Resistor, small symbol; KiLib_Generator: SMD_2terminal_chip_molded; ki_fp_filters: R_*

## Footprints (pads in the part's own frame, mm; a bottom-side part is the same pattern mirrored in y, then rotated)
NPTH
  round 0.5 hole 0.5 unplated: (0,0)
R_0402_1005Metric
  rrect 0.54x0.64 smd: 1(-0.51,0) 2(0.51,0)
R_0603_1608Metric
  rrect 0.8x0.95 smd: 1(-0.825,0) 2(0.825,0)
SMA_Samtec_SMA-J-P-H-ST-EM1_EdgeMount
  rrect 3.2x1.27 smd: 1(0,0)
  rrect 3.7x1.35 smd: 2(-0.25,2.825) 2(-0.25,-2.825)
  rrect 3.7x1.35 smd far side: 2(-0.25,2.825) 2(-0.25,-2.825)

## Nets
Board_0-GND: J1#26.2 J2#3.2 R1#7.1 R3#11.1 R5#14.2 R6#8.2
Board_0-Net-(J1-In): J1#26.1 R1#7.2 R2#14.2 R4#2.2 R5#14.1
Board_0-Net-(J2-In): J2#3.1 R2#14.1 R3#11.2 R4#2.1 R6#8.1
Board_1-GND: J1#20.2 J2#12.2 R1#12.1 R3#24.1 R5#13.2 R6#14.2
Board_1-Net-(J1-In): J1#20.1 R1#12.2 R2#15.2 R4#9.2 R5#13.1
Board_1-Net-(J2-In): J2#12.1 R2#15.1 R3#24.2 R4#9.1 R6#14.1
Board_2-GND: J1#12.2 J2#18.2 R1#24.1 R3#3.1 R5#12.2 R6#26.2
Board_2-Net-(J1-In): J1#12.1 R1#24.2 R2#13.2 R4#13.2 R5#12.1
Board_2-Net-(J2-In): J2#18.1 R2#13.1 R3#3.2 R4#13.1 R6#26.1
Board_3-GND: J1#7.2 J2#6.2 R1.1 R3#12.1 R5#16.2 R6#13.2
Board_3-Net-(J1-In): J1#7.1 R1.2 R2#7.2 R4#5.2 R5#16.1
Board_3-Net-(J2-In): J2#6.1 R2#7.1 R3#12.2 R4#5.1 R6#13.1
Board_4-GND: J1.2 J2#20.2 R1#2.1 R3#16.1 R5#2.2 R6#24.2
Board_4-Net-(J1-In): J1.1 R1#2.2 R2#21.2 R4#20.2 R5#2.1
Board_4-Net-(J2-In): J2#20.1 R2#21.1 R3#16.2 R4#20.1 R6#24.1
Board_5-GND: J1#8.2 J2#10.2 R1#21.1 R3#28.1 R5#27.2 R6#7.2
Board_5-Net-(J1-In): J1#8.1 R1#21.2 R2#12.2 R4#14.2 R5#27.1
Board_5-Net-(J2-In): J2#10.1 R2#12.1 R3#28.2 R4#14.1 R6#7.1
Board_6-GND: J1#28.2 J2#13.2 R1#20.1 R3#6.1 R5#21.2 R6#9.2
Board_6-Net-(J1-In): J1#28.1 R1#20.2 R2#19.2 R4#25.2 R5#21.1
Board_6-Net-(J2-In): J2#13.1 R2#19.1 R3#6.2 R4#25.1 R6#9.1
Board_7-GND: J1#22.2 J2.2 R1#19.1 R3#14.1 R5#26.2 R6#27.2
Board_7-Net-(J1-In): J1#22.1 R1#19.2 R2#24.2 R4#12.2 R5#26.1
Board_7-Net-(J2-In): J2.1 R2#24.1 R3#14.2 R4#12.1 R6#27.1
Board_8-GND: J1#3.2 J2#25.2 R1#11.1 R3#21.1 R5#28.2 R6#23.2
Board_8-Net-(J1-In): J1#3.1 R1#11.2 R2#8.2 R4#18.2 R5#28.1
Board_8-Net-(J2-In): J2#25.1 R2#8.1 R3#21.2 R4#18.1 R6#23.1
Board_9-GND: J1#15.2 J2#8.2 R1#15.1 R3#19.1 R5#23.2 R6#21.2
Board_9-Net-(J1-In): J1#15.1 R1#15.2 R2#23.2 R4#4.2 R5#23.1
Board_9-Net-(J2-In): J2#8.1 R2#23.1 R3#19.2 R4#4.1 R6#21.1
Board_10-GND: J1#9.2 J2#7.2 R1#16.1 R3#25.1 R5#15.2 R6#20.2
Board_10-Net-(J1-In): J1#9.1 R1#16.2 R2#11.2 R4#19.2 R5#15.1
Board_10-Net-(J2-In): J2#7.1 R2#11.1 R3#25.2 R4#19.1 R6#20.1
Board_11-GND: J1#21.2 J2#14.2 R1#17.1 R3#17.1 R5#11.2 R6#22.2
Board_11-Net-(J1-In): J1#21.1 R1#17.2 R2#4.2 R4#22.2 R5#11.1
Board_11-Net-(J2-In): J2#14.1 R2#4.1 R3#17.2 R4#22.1 R6#22.1
Board_12-GND: J1#2.2 J2#21.2 R1#23.1 R3#2.1 R5#8.2 R6#4.2
Board_12-Net-(J1-In): J1#2.1 R1#23.2 R2#9.2 R4#26.2 R5#8.1
Board_12-Net-(J2-In): J2#21.1 R2#9.1 R3#2.2 R4#26.1 R6#4.1
Board_13-GND: J1#16.2 J2#2.2 R1#22.1 R3#18.1 R5#22.2 R6.2
Board_13-Net-(J1-In): J1#16.1 R1#22.2 R2.2 R4#23.2 R5#22.1
Board_13-Net-(J2-In): J2#2.1 R2.1 R3#18.2 R4#23.1 R6.1
Board_14-GND: J1#5.2 J2#16.2 R1#18.1 R3#13.1 R5#17.2 R6#15.2
Board_14-Net-(J1-In): J1#5.1 R1#18.2 R2#27.2 R4#28.2 R5#17.1
Board_14-Net-(J2-In): J2#16.1 R2#27.1 R3#13.2 R4#28.1 R6#15.1
Board_15-GND: J1#19.2 J2#26.2 R1#9.1 R3#22.1 R5#9.2 R6#19.2
Board_15-Net-(J1-In): J1#19.1 R1#9.2 R2#16.2 R4#6.2 R5#9.1
Board_15-Net-(J2-In): J2#26.1 R2#16.1 R3#22.2 R4#6.1 R6#19.1
Board_16-GND: J1#27.2 J2#24.2 R1#5.1 R3#20.1 R5#5.2 R6#25.2
Board_16-Net-(J1-In): J1#27.1 R1#5.2 R2#10.2 R4#10.2 R5#5.1
Board_16-Net-(J2-In): J2#24.1 R2#10.1 R3#20.2 R4#10.1 R6#25.1
Board_17-GND: J1#14.2 J2#5.2 R1#3.1 R3#27.1 R5#7.2 R6#6.2
Board_17-Net-(J1-In): J1#14.1 R1#3.2 R2#20.2 R4#7.2 R5#7.1
Board_17-Net-(J2-In): J2#5.1 R2#20.1 R3#27.2 R4#7.1 R6#6.1
Board_18-GND: J1#25.2 J2#19.2 R1#13.1 R3.1 R5#25.2 R6#18.2
Board_18-Net-(J1-In): J1#25.1 R1#13.2 R2#26.2 R4#8.2 R5#25.1
Board_18-Net-(J2-In): J2#19.1 R2#26.1 R3.2 R4#8.1 R6#18.1
Board_19-GND: J1#11.2 J2#9.2 R1#10.1 R3#15.1 R5#19.2 R6#16.2
Board_19-Net-(J1-In): J1#11.1 R1#10.2 R2#17.2 R4#24.2 R5#19.1
Board_19-Net-(J2-In): J2#9.1 R2#17.1 R3#15.2 R4#24.1 R6#16.1
Board_20-GND: J1#10.2 J2#4.2 R1#25.1 R3#23.1 R5#20.2 R6#28.2
Board_20-Net-(J1-In): J1#10.1 R1#25.2 R2#28.2 R4#3.2 R5#20.1
Board_20-Net-(J2-In): J2#4.1 R2#28.1 R3#23.2 R4#3.1 R6#28.1
Board_21-GND: J1#6.2 J2#23.2 R1#26.1 R3#26.1 R5#10.2 R6#12.2
Board_21-Net-(J1-In): J1#6.1 R1#26.2 R2#18.2 R4#11.2 R5#10.1
Board_21-Net-(J2-In): J2#23.1 R2#18.1 R3#26.2 R4#11.1 R6#12.1
Board_22-GND: J1#24.2 J2#15.2 R1#8.1 R3#5.1 R5#4.2 R6#17.2
Board_22-Net-(J1-In): J1#24.1 R1#8.2 R2#2.2 R4.2 R5#4.1
Board_22-Net-(J2-In): J2#15.1 R2#2.1 R3#5.2 R4.1 R6#17.1
Board_23-GND: J1#17.2 J2#27.2 R1#28.1 R3#4.1 R5#6.2 R6#2.2
Board_23-Net-(J1-In): J1#17.1 R1#28.2 R2#5.2 R4#21.2 R5#6.1
Board_23-Net-(J2-In): J2#27.1 R2#5.1 R3#4.2 R4#21.1 R6#2.1
Board_24-GND: J1#4.2 J2#22.2 R1#14.1 R3#8.1 R5#3.2 R6#5.2
Board_24-Net-(J1-In): J1#4.1 R1#14.2 R2#25.2 R4#27.2 R5#3.1
Board_24-Net-(J2-In): J2#22.1 R2#25.1 R3#8.2 R4#27.1 R6#5.1
Board_25-GND: J1#18.2 J2#11.2 R1#6.1 R3#9.1 R5.2 R6#10.2
Board_25-Net-(J1-In): J1#18.1 R1#6.2 R2#22.2 R4#16.2 R5.1
Board_25-Net-(J2-In): J2#11.1 R2#22.1 R3#9.2 R4#16.1 R6#10.1
Board_26-GND: J1#13.2 J2#28.2 R1#27.1 R3#10.1 R5#18.2 R6#11.2
Board_26-Net-(J1-In): J1#13.1 R1#27.2 R2#3.2 R4#17.2 R5#18.1
Board_26-Net-(J2-In): J2#28.1 R2#3.1 R3#10.2 R4#17.1 R6#11.1
Board_27-GND: J1#23.2 J2#17.2 R1#4.1 R3#7.1 R5#24.2 R6#3.2
Board_27-Net-(J1-In): J1#23.1 R1#4.2 R2#6.2 R4#15.2 R5#24.1
Board_27-Net-(J2-In): J2#17.1 R2#6.1 R3#7.2 R4#15.1 R6#3.1

## Via types
v1: diameter 0.6, hole 0.3, Top to Bottom, 1176 vias

## Routing (per net, layer and track width the routed paths; a pad name or vN(x,y) marks a point on that pad's centre or on a via; arc(x,y) is an arc through that point)
Board_0-GND:
  vias: v1(1.5,86.2) v1(1.5,83.8) v1(2.4,87.8) v1(2.4,82.2) v1(2.5,86.2) v1(2.5,83.8) v1(3.5,86.2) v1(3.5,83.8) v1(4.52,85.99) v1(4.52,84.01) v1(5.47,85.99) v1(5.47,84.01) v1(6.42,85.99) v1(6.42,84.01) v1(7.22,84.01) v1(7.37,85.99) v1(8.1,83.35) v1(8.32,85.99) v1(9.28,85.99) v1(9.28,84.01) v1(10.6,86) v1(10.6,84) v1(11.93,85.99) v1(11.93,84.01) v1(12.88,85.99) v1(13.1,83.35) v1(13.83,85.99) v1(13.98,84.01) v1(14.79,85.99) v1(14.79,84.01) v1(15.74,85.99) v1(15.74,84.01) v1(16.69,85.99) v1(16.69,84.01) v1(17.7,86.2) v1(17.7,83.8) v1(18.7,86.2) v1(18.7,83.8) v1(18.8,87.8) v1(18.79,82.17) v1(19.7,86.2) v1(19.7,83.8)
Board_0-Net-(J1-In): length 7.7
  Top w0.888: R2#14.2 2.12,85 2.1,85.02
Board_0-Net-(J2-In): length 7.7
  Top w0.888: R2#14.1 19.1,85
Board_1-GND:
  vias: v1(24.7,86.2) v1(24.7,83.8) v1(25.6,87.8) v1(25.6,82.2) v1(25.7,86.2) v1(25.7,83.8) v1(26.7,86.2) v1(26.7,83.8) v1(27.72,85.99) v1(27.72,84.01) v1(28.67,85.99) v1(28.67,84.01) v1(29.62,85.99) v1(29.62,84.01) v1(30.42,84.01) v1(30.57,85.99) v1(31.3,83.35) v1(31.52,85.99) v1(32.47,85.99) v1(32.47,84.01) v1(33.8,86) v1(33.8,84) v1(35.12,85.99) v1(35.12,84.01) v1(36.08,85.99) v1(36.3,83.35) v1(37.03,85.99) v1(37.18,84.01) v1(37.99,85.99) v1(37.99,84.01) v1(38.94,85.99) v1(38.94,84.01) v1(39.89,85.99) v1(39.89,84.01) v1(40.9,86.2) v1(40.9,83.8) v1(41.9,86.2) v1(41.9,83.8) v1(42,87.8) v1(41.99,82.17) v1(42.9,86.2) v1(42.9,83.8)
Board_1-Net-(J1-In): length 7.7
  Top w0.888: R2#15.2 25.32,85 25.3,85.02
Board_1-Net-(J2-In): length 7.7
  Top w0.888: R2#15.1 42.3,85
Board_2-GND:
  vias: v1(47.9,86.2) v1(47.9,83.8) v1(48.8,87.8) v1(48.8,82.2) v1(48.9,86.2) v1(48.9,83.8) v1(49.9,86.2) v1(49.9,83.8) v1(50.92,85.99) v1(50.92,84.01) v1(51.87,85.99) v1(51.87,84.01) v1(52.82,85.99) v1(52.82,84.01) v1(53.62,84.01) v1(53.77,85.99) v1(54.5,83.35) v1(54.72,85.99) v1(55.68,85.99) v1(55.68,84.01) v1(57,86) v1(57,84) v1(58.33,85.99) v1(58.33,84.01) v1(59.28,85.99) v1(59.5,83.35) v1(60.23,85.99) v1(60.38,84.01) v1(61.19,85.99) v1(61.19,84.01) v1(62.14,85.99) v1(62.14,84.01) v1(63.09,85.99) v1(63.09,84.01) v1(64.1,86.2) v1(64.1,83.8) v1(65.1,86.2) v1(65.1,83.8) v1(65.2,87.8) v1(65.19,82.17) v1(66.1,86.2) v1(66.1,83.8)
Board_2-Net-(J1-In): length 7.7
  Top w0.888: R2#13.2 48.52,85 48.5,85.02
Board_2-Net-(J2-In): length 7.7
  Top w0.888: R2#13.1 65.5,85
Board_3-GND:
  vias: v1(71.1,86.2) v1(71.1,83.8) v1(72,87.8) v1(72,82.2) v1(72.1,86.2) v1(72.1,83.8) v1(73.1,86.2) v1(73.1,83.8) v1(74.12,85.99) v1(74.12,84.01) v1(75.07,85.99) v1(75.07,84.01) v1(76.02,85.99) v1(76.02,84.01) v1(76.82,84.01) v1(76.97,85.99) v1(77.7,83.35) v1(77.92,85.99) v1(78.88,85.99) v1(78.88,84.01) v1(80.2,86) v1(80.2,84) v1(81.53,85.99) v1(81.53,84.01) v1(82.48,85.99) v1(82.7,83.35) v1(83.43,85.99) v1(83.58,84.01) v1(84.39,85.99) v1(84.39,84.01) v1(85.34,85.99) v1(85.34,84.01) v1(86.29,85.99) v1(86.29,84.01) v1(87.3,86.2) v1(87.3,83.8) v1(88.3,86.2) v1(88.3,83.8) v1(88.4,87.8) v1(88.39,82.17) v1(89.3,86.2) v1(89.3,83.8)
